# Altium PCB ESP32_Demo.PcbDoc (part 1 of 7) (continued)
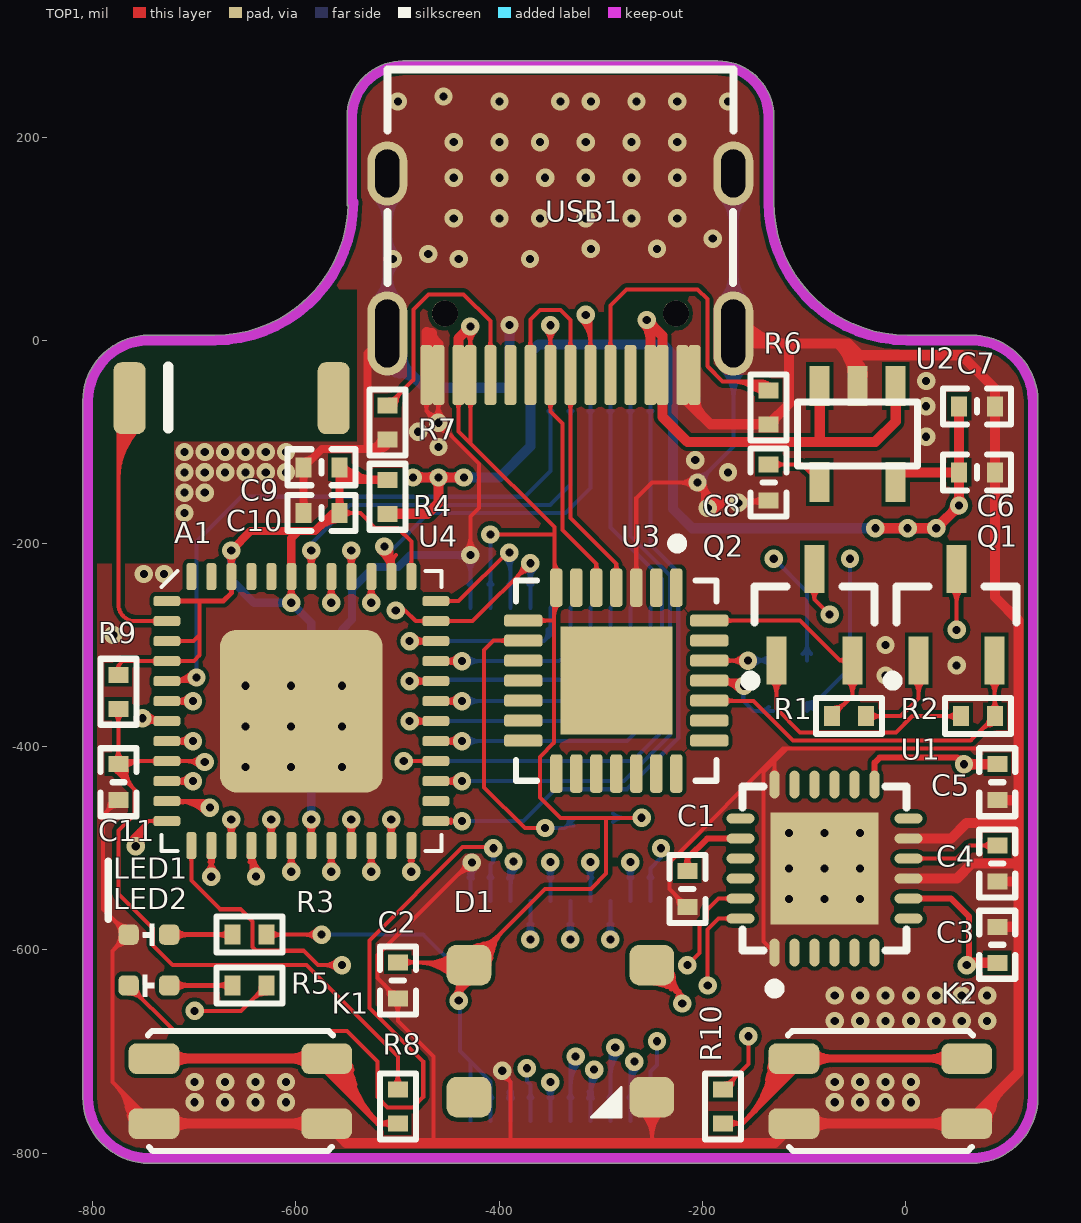
[diagram p0: TOP1 view]
## Nets (pads, with @x,y where several pads share a name; then routed paths per layer and width w, separated by ;. In a path a pad name is that pad's centre, name@x,y a point inside that pad or via, vN(x,y) a via of type N, cw(c..) or ccw(c..) an arc to the next point about the centre after c; other vN are vias at no path point) (continued)
  MidLayer3 w4: v1(-689.77,-415) -684.77,-415 -669.77,-400 ; v1@-689.71,-412 ccw(c-689.36,-393.71) -676.42,-406.64 ; v1@-689.64,-408 ccw(c-689.1,-380.67) -669.77,-400 ; v1@-682.77,-415 cw(c-677.94,-415) -681.36,-411.59 ; v1(50.23,-285) -4.77,-230 -354.77,-230 -397.77,-273 -431,-273 -473,-315 -654.77,-315 -669.77,-330 -669.77,-400
EXT_5V: C2.1 D1.1 P1.9 P2.9 P2.10 R3.2 R11.2 U2.1 U2.3 U3.7 U3.8 USB1.A4 USB1.A9 USB1.B4 USB1.B9 | length 5986.7
  TOP1 w4: R3.2@-629.02,-585 v1(-574.78,-585) ; v1@-579.73,-589.95 ccw(c-591.68,-601.9) -591.68,-585 ccw(c-591.68,-568.1) v1@-579.73,-580.05 ; C2.1@-499.77,-612.28 D1.1@-432.49,-612.28 ; v1@-444.72,-645.05 ccw(c-456.67,-633.1) -439.77,-633.1 ccw(c-422.87,-633.1) v1@-434.82,-645.05 ; D1.1@-443.51,-622.63 cw(c-459.5,-633.03) -441.08,-637.97 ; v1@-442.42,-643.52 ccw(c-445.33,-636.4) -437.9,-638.39 ccw(c-432.64,-639.8) v1@-435.76,-644.26 ; USB1.A9@-440.17,-34.21 -440.17,-89.61 -428.35,-101.42 ; D1.1@-440.1,-634.31 cw(c-427.42,-637.71) D1.1@-429.89,-624.82 ; v1@-440.02,-643 ccw(c-440.13,-639.78) -437.02,-640.62 ccw(c-433.69,-641.51) v1@-435.7,-644.31 ; v1@-439.77,-650.9 cw(c-419.99,-650.9) D1.1@-426.16,-632.1 ; v1(-439.77,-650) D1.1@-439.77,-619.57 ; v1@-439.77,-645.38 cw(c-421.8,-645.38) D1.1@-427.41,-628.3 ; -439.77,-639.86 cw(c-423.61,-639.86) D1.1@-428.65,-624.5 ; -439.77,-639.14 ccw(c-455.91,-639.14) D1.1@-444.5,-627.73 ; v1@-433.3,8.63 cw(c-445.25,-3.32) -428.35,-3.32 cw(c-411.46,-3.32) v1@-423.41,8.63 ; D1.1@-429.77,-615 -354.77,-540 -309.77,-540 -294.77,-525 -294.77,-497.5 -294.77,-470 ; v1(-428.35,13.58) USB1.B4@-428.35,-34.21 -428.35,-101.42 ; v1(-408.67,-191.1) -346.87,-191.1 -345.77,-190 ; U3.8@-376.27,-275.94 -346.84,-275.94 ; v1(-259.77,-470) -294.77,-470 ; R3.2@-624.87,-589.16 cw(c-614.84,-599.18) -614.84,-585 ; R3.2@-624.87,-589.16 cw(c-614.84,-599.18) -614.84,-585 ; R3.2@-624.87,-589.16 cw(c-614.84,-599.18) -614.84,-585 ; R3.2@-624.87,-589.16 cw(c-614.84,-599.18) -614.84,-585 ; R3.2@-624.87,-589.16 cw(c-614.84,-599.18) -614.84,-585 ; R3.2@-624.87,-589.16 cw(c-614.84,-599.18) -614.84,-585 ; R3.2@-624.87,-580.85 ccw(c-614.84,-570.82) -614.84,-585 ; R3.2@-624.87,-580.85 ccw(c-614.84,-570.82) -614.84,-585 ; R3.2@-624.87,-580.85 ccw(c-614.84,-570.82) -614.84,-585 ; R3.2@-624.87,-580.85 ccw(c-614.84,-570.82) -614.84,-585 ; R3.2@-624.87,-580.85 ccw(c-614.84,-570.82) -614.84,-585 ; R3.2@-624.87,-580.85 ccw(c-614.84,-570.82) -614.84,-585 ; C2.1@-493.65,-616.44 cw(c-483.62,-626.46) -483.62,-612.28 ; C2.1@-493.65,-616.44 cw(c-483.62,-626.46) -483.62,-612.28 ; C2.1@-493.65,-616.44 cw(c-483.62,-626.46) -483.62,-612.28 ; C2.1@-493.65,-616.44 cw(c-483.62,-626.46) -483.62,-612.28 ; C2.1@-493.65,-616.44 cw(c-483.62,-626.46) -483.62,-612.28 ; C2.1@-493.65,-616.44 cw(c-483.62,-626.46) -483.62,-612.28 ; C2.1@-493.65,-608.13 ccw(c-483.62,-598.1) -483.62,-612.28 ; C2.1@-493.65,-608.13 ccw(c-483.62,-598.1) -483.62,-612.28 ; C2.1@-493.65,-608.13 ccw(c-483.62,-598.1) -483.62,-612.28 ; C2.1@-493.65,-608.13 ccw(c-483.62,-598.1) -483.62,-612.28 ; C2.1@-493.65,-608.13 ccw(c-483.62,-598.1) -483.62,-612.28 ; C2.1@-493.65,-608.13 ccw(c-483.62,-598.1) -483.62,-612.28 ; -481.79,-612.28 cw(c-481.79,-665.01) D1.1@-444.5,-627.73 ; -481.79,-612.28 cw(c-481.79,-665.01) D1.1@-444.5,-627.73 ; -481.79,-612.28 cw(c-481.79,-665.01) D1.1@-444.5,-627.73 ; -472.13,-612.28 cw(c-472.13,-655.36) D1.1@-441.67,-624.9 ; -472.13,-612.28 cw(c-472.13,-655.36) D1.1@-441.67,-624.9 ; -472.13,-612.28 cw(c-472.13,-655.36) D1.1@-441.67,-624.9 ; -468.67,-612.28 ccw(c-468.67,-578.1) D1.1@-444.5,-602.27 ; -468.67,-612.28 ccw(c-468.67,-578.1) D1.1@-444.5,-602.27 ; -468.67,-612.28 ccw(c-468.67,-578.1) D1.1@-444.5,-602.27 ; -462.47,-612.28 cw(c-462.47,-645.7) D1.1@-438.84,-622.07 ; -462.47,-612.28 cw(c-462.47,-645.7) D1.1@-438.84,-622.07 ; -462.47,-612.28 cw(c-462.47,-645.7) D1.1@-438.84,-622.07 ; -459.01,-612.28 ccw(c-459.01,-587.76) D1.1@-441.67,-605.1 ; -459.01,-612.28 ccw(c-459.01,-587.76) D1.1@-441.67,-605.1 ; -459.01,-612.28 ccw(c-459.01,-587.76) D1.1@-441.67,-605.1 ; -452.82,-612.28 cw(c-452.82,-636.04) D1.1@-436.01,-619.24 ; -452.82,-612.28 cw(c-452.82,-636.04) D1.1@-436.01,-619.24 ; -452.82,-612.28 cw(c-452.82,-636.04) D1.1@-436.01,-619.24 ; D1.1@-443.39,-622.81 cw(c-459.05,-633.34) -440.82,-638.23 ; D1.1@-443.39,-622.81 cw(c-459.05,-633.34) -440.82,-638.23 ; D1.1@-443.39,-622.81 cw(c-459.05,-633.34) -440.82,-638.23 ; D1.1@-443.39,-622.81 cw(c-459.05,-633.34) -440.82,-638.23 ; D1.1@-443.39,-622.81 cw(c-459.05,-633.34) -440.82,-638.23 ; D1.1@-443.39,-622.81 cw(c-459.05,-633.34) -440.82,-638.23 ; D1.1@-443.39,-622.81 cw(c-459.05,-633.34) -440.82,-638.23 ; D1.1@-443.39,-622.81 cw(c-459.05,-633.34) -440.82,-638.23 ; D1.1@-443.39,-622.81 cw(c-459.05,-633.34) -440.82,-638.23 ; USB1.A9@-442.93,-60.6 cw(c-449.59,-67.26) -440.17,-67.26 ; USB1.A9@-442.93,-60.6 cw(c-449.59,-67.26) -440.17,-67.26 ; USB1.A9@-442.93,-60.6 cw(c-449.59,-67.26) -440.17,-67.26 ; USB1.A9@-442.93,-60.6 cw(c-449.59,-67.26) -440.17,-67.26 ; USB1.A9@-442.93,-60.6 cw(c-449.59,-67.26) -440.17,-67.26 ; USB1.A9@-442.93,-60.6 cw(c-449.59,-67.26) -440.17,-67.26 ; -440.17,-67.26 cw(c-430.74,-67.26) USB1.A9@-437.4,-60.6 ; -440.17,-67.26 cw(c-430.74,-67.26) USB1.A9@-437.4,-60.6 ; -440.17,-67.26 cw(c-430.74,-67.26) USB1.A9@-437.4,-60.6 ; -440.17,-67.26 cw(c-430.74,-67.26) USB1.A9@-437.4,-60.6 ; -440.17,-67.26 cw(c-430.74,-67.26) USB1.A9@-437.4,-60.6 ; -440.17,-67.26 cw(c-430.74,-67.26) USB1.A9@-437.4,-60.6 ; D1.1@-439.77,-634.33 cw(c-425.43,-634.33) D1.1@-429.9,-620.7 ; D1.1@-439.77,-634.33 cw(c-425.43,-634.33) D1.1@-429.9,-620.7 ; D1.1@-439.77,-634.33 cw(c-425.43,-634.33) D1.1@-429.9,-620.7 ; D1.1@-439.77,-634.33 cw(c-425.43,-634.33) D1.1@-429.9,-620.7 ; D1.1@-439.77,-634.33 cw(c-425.43,-634.33) D1.1@-429.9,-620.7 ; D1.1@-439.77,-634.33 cw(c-425.43,-634.33) D1.1@-429.9,-620.7 ; D1.1@-439.75,-634.21 cw(c-427.13,-637.59) D1.1@-429.76,-624.8 ; D1.1@-439.75,-634.21 cw(c-427.13,-637.59) D1.1@-429.76,-624.8 ; D1.1@-439.75,-634.21 cw(c-427.13,-637.59) D1.1@-429.76,-624.8 ; D1.1@-439.75,-634.21 cw(c-427.13,-637.59) D1.1@-429.76,-624.8 ; D1.1@-439.75,-634.21 cw(c-427.13,-637.59) D1.1@-429.76,-624.8 ; D1.1@-439.75,-634.21 cw(c-427.13,-637.59) D1.1@-429.76,-624.8 ; D1.1@-439.75,-634.21 cw(c-427.13,-637.59) D1.1@-429.76,-624.8 ; D1.1@-439.75,-634.21 cw(c-427.13,-637.59) D1.1@-429.76,-624.8 ; D1.1@-439.75,-634.21 cw(c-427.13,-637.59) D1.1@-429.76,-624.8 ; D1.1@-437.64,-613.39 cw(c-415.4,-617.02) D1.1@-421.23,-595.25 ; D1.1@-437.64,-613.39 cw(c-415.4,-617.02) D1.1@-421.23,-595.25 ; D1.1@-437.64,-613.39 cw(c-415.4,-617.02) D1.1@-421.23,-595.25 ; D1.1@-433.69,-614.03 cw(c-408.69,-618.11) -415.25,-593.64 ; D1.1@-433.69,-614.03 cw(c-408.69,-618.11) -415.25,-593.64 ; D1.1@-433.69,-614.03 cw(c-408.69,-618.11) -415.25,-593.64 ; USB1.B4@-431.12,-60.6 cw(c-437.78,-67.26) -428.35,-67.26 ; USB1.B4@-431.12,-60.6 cw(c-437.78,-67.26) -428.35,-67.26 ; USB1.B4@-431.12,-60.6 cw(c-437.78,-67.26) -428.35,-67.26 ; USB1.B4@-431.12,-60.6 cw(c-437.78,-67.26) -428.35,-67.26 ; USB1.B4@-431.12,-60.6 cw(c-437.78,-67.26) -428.35,-67.26 ; USB1.B4@-431.12,-60.6 cw(c-437.78,-67.26) -428.35,-67.26 ; USB1.B4@-431.12,-7.83 ccw(c-437.78,-1.16) -428.35,-1.16 ; USB1.B4@-431.12,-7.83 ccw(c-437.78,-1.16) -428.35,-1.16 ; USB1.B4@-431.12,-7.83 ccw(c-437.78,-1.16) -428.35,-1.16 ; USB1.B4@-431.12,-7.83 ccw(c-437.78,-1.16) -428.35,-1.16 ; USB1.B4@-431.12,-7.83 ccw(c-437.78,-1.16) -428.35,-1.16 ; USB1.B4@-431.12,-7.83 ccw(c-437.78,-1.16) -428.35,-1.16 ; D1.1@-429.75,-614.68 cw(c-401.99,-619.2) -409.27,-592.04 ; D1.1@-429.75,-614.68 cw(c-401.99,-619.2) -409.27,-592.04 ; D1.1@-429.75,-614.68 cw(c-401.99,-619.2) -409.27,-592.04 ; -428.35,-101.42 -345.77,-184 -345.77,-190 ; -428.35,-67.26 cw(c-418.93,-67.26) USB1.B4@-425.59,-60.6 ; -428.35,-67.26 cw(c-418.93,-67.26) USB1.B4@-425.59,-60.6 ; -428.35,-67.26 cw(c-418.93,-67.26) USB1.B4@-425.59,-60.6 ; -428.35,-67.26 cw(c-418.93,-67.26) USB1.B4@-425.59,-60.6 ; -428.35,-67.26 cw(c-418.93,-67.26) USB1.B4@-425.59,-60.6 ; -428.35,-67.26 cw(c-418.93,-67.26) USB1.B4@-425.59,-60.6 ; -428.35,-1.16 ccw(c-418.93,-1.16) USB1.B4@-425.59,-7.83 ; -428.35,-1.16 ccw(c-418.93,-1.16) USB1.B4@-425.59,-7.83 ; -428.35,-1.16 ccw(c-418.93,-1.16) USB1.B4@-425.59,-7.83 ; -428.35,-1.16 ccw(c-418.93,-1.16) USB1.B4@-425.59,-7.83 ; -428.35,-1.16 ccw(c-418.93,-1.16) USB1.B4@-425.59,-7.83 ; -428.35,-1.16 ccw(c-418.93,-1.16) USB1.B4@-425.59,-7.83 ; D1.1@-428.03,-613.02 ccw(c-430.97,-590.16) -408.71,-596.13 ; D1.1@-428.03,-613.02 ccw(c-430.97,-590.16) -408.71,-596.13 ; D1.1@-428.03,-613.02 ccw(c-430.97,-590.16) -408.71,-596.13 ; D1.1@-427.77,-605 ccw(c-427.77,-585.69) D1.1@-414.12,-599.34 ; D1.1@-427.77,-605 ccw(c-427.77,-585.69) D1.1@-414.12,-599.34 ; D1.1@-427.77,-605 ccw(c-427.77,-585.69) D1.1@-414.12,-599.34 ; D1.1@-427.77,-601 ccw(c-427.77,-572.03) -407.29,-592.51 ; D1.1@-427.77,-601 ccw(c-427.77,-572.03) -407.29,-592.51 ; D1.1@-427.77,-601 ccw(c-427.77,-572.03) -407.29,-592.51 ; D1.1@-427.77,-597 ccw(c-427.77,-558.37) -400.46,-585.69 ; D1.1@-427.77,-597 ccw(c-427.77,-558.37) -400.46,-585.69 ; D1.1@-427.77,-597 ccw(c-427.77,-558.37) -400.46,-585.69 ; D1.1@-427.52,-616.98 ccw(c-430.15,-596.56) D1.1@-410.26,-601.89 ; D1.1@-427.52,-616.98 ccw(c-430.15,-596.56) D1.1@-410.26,-601.89 ; D1.1@-427.52,-616.98 ccw(c-430.15,-596.56) D1.1@-410.26,-601.89 ; D1.1@-427.3,-616.94 ccw(c-434.81,-586.21) -404.25,-594.4 ; D1.1@-427.3,-616.94 ccw(c-434.81,-586.21) -404.25,-594.4 ; D1.1@-427.3,-616.94 ccw(c-434.81,-586.21) -404.25,-594.4 ; D1.1@-426.35,-620.83 ccw(c-432.98,-593.69) -406,-600.92 ; D1.1@-426.35,-620.83 ccw(c-432.98,-593.69) -406,-600.92 ; D1.1@-426.35,-620.83 ccw(c-432.98,-593.69) -406,-600.92 ; D1.1@-425.4,-624.71 ccw(c-431.15,-601.18) -407.75,-607.45 ; D1.1@-425.4,-624.71 ccw(c-431.15,-601.18) -407.75,-607.45 ; D1.1@-425.4,-624.71 ccw(c-431.15,-601.18) -407.75,-607.45 ; D1.1@-417.77,-615 cw(c-388.8,-615) -409.29,-594.51 ; D1.1@-417.77,-615 cw(c-388.8,-615) -409.29,-594.51 ; D1.1@-417.77,-615 cw(c-388.8,-615) -409.29,-594.51 ; D1.1@-413.77,-615 cw(c-375.14,-615) -402.46,-587.69 ; D1.1@-413.77,-615 cw(c-375.14,-615) -402.46,-587.69 ; D1.1@-413.77,-615 cw(c-375.14,-615) -402.46,-587.69 ; D1.1@-409.77,-615 cw(c-361.49,-615) -395.63,-580.86 ; D1.1@-409.77,-615 cw(c-361.49,-615) -395.63,-580.86 ; D1.1@-409.77,-615 cw(c-361.49,-615) -395.63,-580.86 ; U3.8@-360.44,-278.77 cw(c-353.62,-285.6) -353.62,-275.94 ; U3.8@-360.44,-278.77 cw(c-353.62,-285.6) -353.62,-275.94 ; U3.8@-360.44,-278.77 cw(c-353.62,-285.6) -353.62,-275.94 ; U3.8@-360.44,-278.77 cw(c-353.62,-285.6) -353.62,-275.94 ; U3.8@-360.44,-278.77 cw(c-353.62,-285.6) -353.62,-275.94 ; U3.8@-360.44,-278.77 cw(c-353.62,-285.6) -353.62,-275.94 ; U3.8@-360.44,-273.12 ccw(c-353.62,-266.29) -353.62,-275.94 ; U3.8@-360.44,-273.12 ccw(c-353.62,-266.29) -353.62,-275.94 ; U3.8@-360.44,-273.12 ccw(c-353.62,-266.29) -353.62,-275.94 ; U3.8@-360.44,-273.12 ccw(c-353.62,-266.29) -353.62,-275.94 ; U3.8@-360.44,-273.12 ccw(c-353.62,-266.29) -353.62,-275.94 ; U3.8@-360.44,-273.12 ccw(c-353.62,-266.29) -353.62,-275.94 ; -345.89,-271.14 cw(c-329.19,-271.14) U3.7@-341,-259.33 ; -345.89,-271.14 cw(c-329.19,-271.14) U3.7@-341,-259.33 ; -345.89,-271.14 cw(c-329.19,-271.14) U3.7@-341,-259.33 ; -345.77,-216.15 ccw(c-329.48,-216.15) U3.7@-341,-227.67 ; -345.77,-216.15 ccw(c-329.48,-216.15) U3.7@-341,-227.67 ; -345.77,-216.15 ccw(c-329.48,-216.15) U3.7@-341,-227.67 ; -345.77,-216.15 ccw(c-329.48,-216.15) U3.7@-341,-227.67 ; -345.77,-216.15 ccw(c-329.48,-216.15) U3.7@-341,-227.67 ; -345.77,-216.15 ccw(c-329.48,-216.15) U3.7@-341,-227.67 ; -345.77,-190 -345.77,-241.56 U3.7@-343.83,-243.5 -345.89,-245.56 -345.89,-396.12 -359.77,-410 -359.77,-450 -339.77,-470 -294.77,-470
  TOP1 w10: USB1.A9@-440.17,-34.21 -440.17,1.77 v1(-428.35,13.58) ; v1@-432.35,13.58 cw(c-442.01,13.58) -435.18,6.75 cw(c-428.35,-0.07) v1@-428.35,9.58 ; v1@-257.6,17.17 cw(c-273.08,1.69) -251.19,1.69 ; v1@-254.77,16 cw(c-254.77,6.34) -247.94,13.17 cw(c-241.12,20) v1@-250.77,20 ; v1(-254.77,20) v1@-251.19,16.42 ; USB1.B9@-251.19,-34.21 v1@-251.19,16.42 ; -84.58,-99.8 U2.3@-84.58,-45 ; U2.1@-9.77,-45 -9.77,-80 -29.77,-100 -214.77,-100 -239.38,-75.39 USB1.A4@-239.38,-34.21 -239.38,4.61 v1@-251.19,16.42 ; U2.3@-88,-58.27 cw(c-96.27,-66.53) -84.58,-66.53 ; U2.3@-88,-58.27 cw(c-96.27,-66.53) -84.58,-66.53 ; U2.3@-88,-58.27 cw(c-96.27,-66.53) -84.58,-66.53 ; U2.3@-88,-58.27 cw(c-96.27,-66.53) -84.58,-66.53 ; U2.3@-88,-58.27 cw(c-96.27,-66.53) -84.58,-66.53 ; U2.3@-88,-58.27 cw(c-96.27,-66.53) -84.58,-66.53 ; -84.58,-66.53 cw(c-72.88,-66.53) U2.3@-81.15,-58.27 ; -84.58,-66.53 cw(c-72.88,-66.53) U2.3@-81.15,-58.27 ; -84.58,-66.53 cw(c-72.88,-66.53) U2.3@-81.15,-58.27 ; -84.58,-66.53 cw(c-72.88,-66.53) U2.3@-81.15,-58.27 ; -84.58,-66.53 cw(c-72.88,-66.53) U2.3@-81.15,-58.27 ; -84.58,-66.53 cw(c-72.88,-66.53) U2.3@-81.15,-58.27 ; U2.1@-13.2,-58.27 cw(c-21.46,-66.53) -9.77,-66.53 ; U2.1@-13.2,-58.27 cw(c-21.46,-66.53) -9.77,-66.53 ; U2.1@-13.2,-58.27 cw(c-21.46,-66.53) -9.77,-66.53 ; U2.1@-13.2,-58.27 cw(c-21.46,-66.53) -9.77,-66.53 ; U2.1@-13.2,-58.27 cw(c-21.46,-66.53) -9.77,-66.53 ; U2.1@-13.2,-58.27 cw(c-21.46,-66.53) -9.77,-66.53 ; -9.77,-66.53 cw(c1.92,-66.53) U2.1@-6.35,-58.27 ; -9.77,-66.53 cw(c1.92,-66.53) U2.1@-6.35,-58.27 ; -9.77,-66.53 cw(c1.92,-66.53) U2.1@-6.35,-58.27 ; -9.77,-66.53 cw(c1.92,-66.53) U2.1@-6.35,-58.27 ; -9.77,-66.53 cw(c1.92,-66.53) U2.1@-6.35,-58.27 ; -9.77,-66.53 cw(c1.92,-66.53) U2.1@-6.35,-58.27
  MidLayer3 w10: v1(-428.35,13.58) -428.35,16.42 -399.77,45 -279.77,45 v1(-254.77,20) ; v1@-258.77,20 ccw(c-268.43,20) -261.6,26.83 ccw(c-254.77,33.66) v1@-254.77,24
  BOTTOM4 w4: v1(-574.78,-585) -474.77,-585 -439.77,-620 v1(-439.77,-650) -438.77,-651 -438.77,-699.46 -408.67,-729.57 P2.9@-408.67,-768.27 ; P2.10@-428.35,-768.27 -428.35,-710.12 ; P1.9@-408.67,-263.27 v1(-408.67,-191.1) ; R11.2@-292.06,-470 v1(-259.77,-470) ; P2.10@-430.42,-745.53 ccw(c-435.41,-740.55) -428.35,-740.55 ; P2.10@-430.42,-745.53 ccw(c-435.41,-740.55) -428.35,-740.55 ; P2.10@-430.42,-745.53 ccw(c-435.41,-740.55) -428.35,-740.55 ; P2.10@-430.42,-745.53 ccw(c-435.41,-740.55) -428.35,-740.55 ; P2.10@-430.42,-745.53 ccw(c-435.41,-740.55) -428.35,-740.55 ; P2.10@-430.42,-745.53 ccw(c-435.41,-740.55) -428.35,-740.55 ; -428.35,-740.55 ccw(c-421.3,-740.55) P2.10@-426.29,-745.53 ; -428.35,-740.55 ccw(c-421.3,-740.55) P2.10@-426.29,-745.53 ; -428.35,-740.55 ccw(c-421.3,-740.55) P2.10@-426.29,-745.53 ; -428.35,-740.55 ccw(c-421.3,-740.55) P2.10@-426.29,-745.53 ; -428.35,-740.55 ccw(c-421.3,-740.55) P2.10@-426.29,-745.53 ; -428.35,-740.55 ccw(c-421.3,-740.55) P2.10@-426.29,-745.53 ; P2.9@-410.74,-745.53 ccw(c-415.72,-740.55) -408.67,-740.55 ; P2.9@-410.74,-745.53 ccw(c-415.72,-740.55) -408.67,-740.55 ; P2.9@-410.74,-745.53 ccw(c-415.72,-740.55) -408.67,-740.55 ; P2.9@-410.74,-745.53 ccw(c-415.72,-740.55) -408.67,-740.55 ; P2.9@-410.74,-745.53 ccw(c-415.72,-740.55) -408.67,-740.55 ; P2.9@-410.74,-745.53 ccw(c-415.72,-740.55) -408.67,-740.55 ; P1.9@-410.74,-240.53 ccw(c-415.72,-235.55) -408.67,-235.55 ; P1.9@-410.74,-240.53 ccw(c-415.72,-235.55) -408.67,-235.55 ; P1.9@-410.74,-240.53 ccw(c-415.72,-235.55) -408.67,-235.55 ; P1.9@-410.74,-240.53 ccw(c-415.72,-235.55) -408.67,-235.55 ; P1.9@-410.74,-240.53 ccw(c-415.72,-235.55) -408.67,-235.55 ; P1.9@-410.74,-240.53 ccw(c-415.72,-235.55) -408.67,-235.55 ; -408.67,-740.55 ccw(c-401.62,-740.55) P2.9@-406.6,-745.53 ; -408.67,-740.55 ccw(c-401.62,-740.55) P2.9@-406.6,-745.53 ; -408.67,-740.55 ccw(c-401.62,-740.55) P2.9@-406.6,-745.53 ; -408.67,-740.55 ccw(c-401.62,-740.55) P2.9@-406.6,-745.53 ; -408.67,-740.55 ccw(c-401.62,-740.55) P2.9@-406.6,-745.53 ; -408.67,-740.55 ccw(c-401.62,-740.55) P2.9@-406.6,-745.53 ; -408.67,-235.55 ccw(c-401.62,-235.55) P1.9@-406.6,-240.53 ; -408.67,-235.55 ccw(c-401.62,-235.55) P1.9@-406.6,-240.53 ; -408.67,-235.55 ccw(c-401.62,-235.55) P1.9@-406.6,-240.53 ; -408.67,-235.55 ccw(c-401.62,-235.55) P1.9@-406.6,-240.53 ; -408.67,-235.55 ccw(c-401.62,-235.55) P1.9@-406.6,-240.53 ; -408.67,-235.55 ccw(c-401.62,-235.55) P1.9@-406.6,-240.53 ; R11.2@-287.91,-474.15 cw(c-277.89,-484.17) -277.89,-470 ; R11.2@-287.91,-474.15 cw(c-277.89,-484.17) -277.89,-470 ; R11.2@-287.91,-474.15 cw(c-277.89,-484.17) -277.89,-470 ; R11.2@-287.91,-474.15 cw(c-277.89,-484.17) -277.89,-470 ; R11.2@-287.91,-474.15 cw(c-277.89,-484.17) -277.89,-470 ; R11.2@-287.91,-474.15 cw(c-277.89,-484.17) -277.89,-470 ; R11.2@-287.91,-465.84 ccw(c-277.87,-455.81) -277.87,-470 ; R11.2@-287.91,-465.84 ccw(c-277.87,-455.81) -277.87,-470 ; R11.2@-287.91,-465.84 ccw(c-277.87,-455.81) -277.87,-470 ; R11.2@-287.91,-465.84 ccw(c-277.87,-455.81) -277.87,-470 ; R11.2@-287.91,-465.84 ccw(c-277.87,-455.81) -277.87,-470 ; R11.2@-287.91,-465.84 ccw(c-277.87,-455.81) -277.87,-470
FLASH_CLK: P1.3 U4.31 | length 471.5
  TOP1 w4: U4.31@-462.39,-355.16 v1(-436.6,-355.16) ; U4.31@-451.96,-357.22 cw(c-446.97,-362.21) -446.97,-355.16 cw(c-446.97,-348.11) U4.31@-451.96,-353.09 ; -447.49,-356.77 cw(c-445.79,-350.4) U4.31@-451.49,-353.7 ; -447.49,-353.55 ccw(c-445.79,-359.91) U4.31@-451.49,-356.62 ; v1@-441.55,-360.11 ccw(c-453.5,-372.06) -453.5,-355.16 ccw(c-453.5,-338.26) v1@-441.55,-350.21 ; U4.31@-451.49,-356.62 cw(c-446.71,-359.38) -448.14,-354.04 ; U4.31@-451.49,-356.62 cw(c-446.71,-359.38) -448.14,-354.04 ; U4.31@-451.49,-356.62 cw(c-446.71,-359.38) -448.14,-354.04 ; U4.31@-451.49,-356.62 cw(c-446.71,-359.38) -448.14,-354.04 ; U4.31@-451.49,-356.62 cw(c-446.71,-359.38) -448.14,-354.04 ; U4.31@-451.49,-356.62 cw(c-446.71,-359.38) -448.14,-354.04 ; U4.31@-451.49,-356.62 cw(c-446.71,-359.38) -448.14,-354.04 ; U4.31@-451.49,-356.62 cw(c-446.71,-359.38) -448.14,-354.04 ; U4.31@-451.49,-356.62 cw(c-446.71,-359.38) -448.14,-354.04 ; U4.31@-451.49,-353.7 ccw(c-446.71,-350.93) -448.14,-356.27 ; U4.31@-451.49,-353.7 ccw(c-446.71,-350.93) -448.14,-356.27 ; U4.31@-451.49,-353.7 ccw(c-446.71,-350.93) -448.14,-356.27 ; U4.31@-451.49,-353.7 ccw(c-446.71,-350.93) -448.14,-356.27 ; U4.31@-451.49,-353.7 ccw(c-446.71,-350.93) -448.14,-356.27 ; U4.31@-451.49,-353.7 ccw(c-446.71,-350.93) -448.14,-356.27 ; U4.31@-451.49,-353.7 ccw(c-446.71,-350.93) -448.14,-356.27 ; U4.31@-451.49,-353.7 ccw(c-446.71,-350.93) -448.14,-356.27 ; U4.31@-451.49,-353.7 ccw(c-446.71,-350.93) -448.14,-356.27
  BOTTOM4 w4: v1(-436.6,-355.16) -309.93,-355.16 -290.56,-335.79 P1.3@-290.56,-263.27 ; v1@-431.65,-360.11 cw(c-419.7,-372.06) -419.7,-355.16 cw(c-419.7,-338.26) v1@-431.65,-350.21 ; P1.3@-292.63,-286 cw(c-297.61,-290.99) -290.56,-290.99 ; P1.3@-292.63,-286 cw(c-297.61,-290.99) -290.56,-290.99 ; P1.3@-292.63,-286 cw(c-297.61,-290.99) -290.56,-290.99 ; P1.3@-292.63,-286 cw(c-297.61,-290.99) -290.56,-290.99 ; P1.3@-292.63,-286 cw(c-297.61,-290.99) -290.56,-290.99 ; P1.3@-292.63,-286 cw(c-297.61,-290.99) -290.56,-290.99 ; -290.56,-290.99 cw(c-283.51,-290.99) P1.3@-288.49,-286 ; -290.56,-290.99 cw(c-283.51,-290.99) P1.3@-288.49,-286 ; -290.56,-290.99 cw(c-283.51,-290.99) P1.3@-288.49,-286 ; -290.56,-290.99 cw(c-283.51,-290.99) P1.3@-288.49,-286 ; -290.56,-290.99 cw(c-283.51,-290.99) P1.3@-288.49,-286 ; -290.56,-290.99 cw(c-283.51,-290.99) P1.3@-288.49,-286
FLASH_CS: P1.20 U4.25 | length 794.7
  TOP1 w4: U4.25@-462.39,-473.27 v1(-436.6,-473.27) ; U4.25@-451.96,-475.33 cw(c-446.97,-480.32) -446.97,-473.27 cw(c-446.97,-466.22) U4.25@-451.96,-471.2 ; -447.49,-474.88 cw(c-445.79,-468.51) U4.25@-451.49,-471.81 ; -447.49,-471.66 ccw(c-445.79,-478.02) U4.25@-451.49,-474.73 ; U4.25@-451.49,-474.73 cw(c-446.71,-477.49) -448.14,-472.15 ; U4.25@-451.49,-474.73 cw(c-446.71,-477.49) -448.14,-472.15 ; U4.25@-451.49,-474.73 cw(c-446.71,-477.49) -448.14,-472.15 ; U4.25@-451.49,-474.73 cw(c-446.71,-477.49) -448.14,-472.15 ; U4.25@-451.49,-474.73 cw(c-446.71,-477.49) -448.14,-472.15 ; U4.25@-451.49,-474.73 cw(c-446.71,-477.49) -448.14,-472.15 ; U4.25@-451.49,-474.73 cw(c-446.71,-477.49) -448.14,-472.15 ; U4.25@-451.49,-474.73 cw(c-446.71,-477.49) -448.14,-472.15 ; U4.25@-451.49,-474.73 cw(c-446.71,-477.49) -448.14,-472.15 ; U4.25@-451.49,-471.81 ccw(c-446.71,-469.04) -448.14,-474.38 ; U4.25@-451.49,-471.81 ccw(c-446.71,-469.04) -448.14,-474.38 ; U4.25@-451.49,-471.81 ccw(c-446.71,-469.04) -448.14,-474.38 ; U4.25@-451.49,-471.81 ccw(c-446.71,-469.04) -448.14,-474.38 ; U4.25@-451.49,-471.81 ccw(c-446.71,-469.04) -448.14,-474.38 ; U4.25@-451.49,-471.81 ccw(c-446.71,-469.04) -448.14,-474.38 ; U4.25@-451.49,-471.81 ccw(c-446.71,-469.04) -448.14,-474.38 ; U4.25@-451.49,-471.81 ccw(c-446.71,-469.04) -448.14,-474.38 ; U4.25@-451.49,-471.81 ccw(c-446.71,-469.04) -448.14,-474.38
  BOTTOM4 w4: v1(-436.6,-473.27) -376.14,-473.27 -344.77,-441.9 -274.04,-441.9 -223.77,-391.63 -223.77,-228.37 -251.19,-200.96 P1.20@-251.19,-46.73 ; P1.20@-253.26,-69.47 cw(c-258.24,-74.45) -251.19,-74.45 ; P1.20@-253.26,-69.47 cw(c-258.24,-74.45) -251.19,-74.45 ; P1.20@-253.26,-69.47 cw(c-258.24,-74.45) -251.19,-74.45 ; P1.20@-253.26,-69.47 cw(c-258.24,-74.45) -251.19,-74.45 ; P1.20@-253.26,-69.47 cw(c-258.24,-74.45) -251.19,-74.45 ; P1.20@-253.26,-69.47 cw(c-258.24,-74.45) -251.19,-74.45 ; -251.19,-74.45 cw(c-244.14,-74.45) P1.20@-249.12,-69.47 ; -251.19,-74.45 cw(c-244.14,-74.45) P1.20@-249.12,-69.47 ; -251.19,-74.45 cw(c-244.14,-74.45) P1.20@-249.12,-69.47 ; -251.19,-74.45 cw(c-244.14,-74.45) P1.20@-249.12,-69.47 ; -251.19,-74.45 cw(c-244.14,-74.45) P1.20@-249.12,-69.47 ; -251.19,-74.45 cw(c-244.14,-74.45) P1.20@-249.12,-69.47
FLASH_SD0: P1.19 U4.27 | length 799.8
  TOP1 w4: U4.27@-462.39,-433.9 v1(-436.6,-433.9) ; U4.27@-451.96,-435.96 cw(c-446.97,-440.95) -446.97,-433.9 cw(c-446.97,-426.85) U4.27@-451.96,-431.83 ; -447.49,-435.51 cw(c-445.79,-429.14) U4.27@-451.49,-432.44 ; -447.49,-432.29 ccw(c-445.79,-438.65) U4.27@-451.49,-435.36 ; v1@-441.55,-438.85 ccw(c-453.5,-450.8) -453.5,-433.9 ccw(c-453.5,-417) v1@-441.55,-428.95 ; U4.27@-451.49,-435.36 cw(c-446.71,-438.12) -448.14,-432.78 ; U4.27@-451.49,-435.36 cw(c-446.71,-438.12) -448.14,-432.78 ; U4.27@-451.49,-435.36 cw(c-446.71,-438.12) -448.14,-432.78 ; U4.27@-451.49,-435.36 cw(c-446.71,-438.12) -448.14,-432.78 ; U4.27@-451.49,-435.36 cw(c-446.71,-438.12) -448.14,-432.78 ; U4.27@-451.49,-435.36 cw(c-446.71,-438.12) -448.14,-432.78 ; U4.27@-451.49,-435.36 cw(c-446.71,-438.12) -448.14,-432.78 ; U4.27@-451.49,-435.36 cw(c-446.71,-438.12) -448.14,-432.78 ; U4.27@-451.49,-435.36 cw(c-446.71,-438.12) -448.14,-432.78 ; U4.27@-451.49,-432.44 ccw(c-446.71,-429.67) -448.14,-435.01 ; U4.27@-451.49,-432.44 ccw(c-446.71,-429.67) -448.14,-435.01 ; U4.27@-451.49,-432.44 ccw(c-446.71,-429.67) -448.14,-435.01 ; U4.27@-451.49,-432.44 ccw(c-446.71,-429.67) -448.14,-435.01 ; U4.27@-451.49,-432.44 ccw(c-446.71,-429.67) -448.14,-435.01 ; U4.27@-451.49,-432.44 ccw(c-446.71,-429.67) -448.14,-435.01 ; U4.27@-451.49,-432.44 ccw(c-446.71,-429.67) -448.14,-435.01 ; U4.27@-451.49,-432.44 ccw(c-446.71,-429.67) -448.14,-435.01 ; U4.27@-451.49,-432.44 ccw(c-446.71,-429.67) -448.14,-435.01
  BOTTOM4 w4: v1(-436.6,-433.9) -277.36,-433.9 -231.77,-388.31 -231.77,-231.69 -270.87,-192.58 P1.19@-270.87,-46.73 ; P1.19@-272.94,-69.47 cw(c-277.93,-74.45) -270.87,-74.45 ; P1.19@-272.94,-69.47 cw(c-277.93,-74.45) -270.87,-74.45 ; P1.19@-272.94,-69.47 cw(c-277.93,-74.45) -270.87,-74.45 ; P1.19@-272.94,-69.47 cw(c-277.93,-74.45) -270.87,-74.45 ; P1.19@-272.94,-69.47 cw(c-277.93,-74.45) -270.87,-74.45 ; P1.19@-272.94,-69.47 cw(c-277.93,-74.45) -270.87,-74.45 ; -270.87,-74.45 cw(c-263.82,-74.45) P1.19@-268.81,-69.47 ; -270.87,-74.45 cw(c-263.82,-74.45) P1.19@-268.81,-69.47 ; -270.87,-74.45 cw(c-263.82,-74.45) P1.19@-268.81,-69.47 ; -270.87,-74.45 cw(c-263.82,-74.45) P1.19@-268.81,-69.47 ; -270.87,-74.45 cw(c-263.82,-74.45) P1.19@-268.81,-69.47 ; -270.87,-74.45 cw(c-263.82,-74.45) P1.19@-268.81,-69.47
FLASH_SD1: P1.5 U4.33 | length 397.8
  TOP1 w4: U4.33@-462.39,-315.79 v1(-436.6,-315.79) ; U4.33@-451.96,-317.85 cw(c-446.97,-322.84) -446.97,-315.79 cw(c-446.97,-308.74) U4.33@-451.96,-313.72 ; -447.49,-317.4 cw(c-445.79,-311.03) U4.33@-451.49,-314.33 ; -447.49,-314.18 ccw(c-445.79,-320.54) U4.33@-451.49,-317.25 ; v1@-441.55,-320.74 ccw(c-453.5,-332.69) -453.5,-315.79 ccw(c-453.5,-298.89) v1@-441.55,-310.84 ; U4.33@-451.49,-317.25 cw(c-446.71,-320.01) -448.14,-314.67 ; U4.33@-451.49,-317.25 cw(c-446.71,-320.01) -448.14,-314.67 ; U4.33@-451.49,-317.25 cw(c-446.71,-320.01) -448.14,-314.67 ; U4.33@-451.49,-317.25 cw(c-446.71,-320.01) -448.14,-314.67 ; U4.33@-451.49,-317.25 cw(c-446.71,-320.01) -448.14,-314.67 ; U4.33@-451.49,-317.25 cw(c-446.71,-320.01) -448.14,-314.67 ; U4.33@-451.49,-317.25 cw(c-446.71,-320.01) -448.14,-314.67 ; U4.33@-451.49,-317.25 cw(c-446.71,-320.01) -448.14,-314.67 ; U4.33@-451.49,-317.25 cw(c-446.71,-320.01) -448.14,-314.67 ; U4.33@-451.49,-314.33 ccw(c-446.71,-311.56) -448.14,-316.9 ; U4.33@-451.49,-314.33 ccw(c-446.71,-311.56) -448.14,-316.9 ; U4.33@-451.49,-314.33 ccw(c-446.71,-311.56) -448.14,-316.9 ; U4.33@-451.49,-314.33 ccw(c-446.71,-311.56) -448.14,-316.9 ; U4.33@-451.49,-314.33 ccw(c-446.71,-311.56) -448.14,-316.9 ; U4.33@-451.49,-314.33 ccw(c-446.71,-311.56) -448.14,-316.9 ; U4.33@-451.49,-314.33 ccw(c-446.71,-311.56) -448.14,-316.9 ; U4.33@-451.49,-314.33 ccw(c-446.71,-311.56) -448.14,-316.9 ; U4.33@-451.49,-314.33 ccw(c-446.71,-311.56) -448.14,-316.9
  BOTTOM4 w4: v1(-436.6,-315.79) -340.56,-315.79 -329.93,-305.16 P1.5@-329.93,-263.27 ; v1@-431.65,-320.74 cw(c-419.7,-332.69) -419.7,-315.79 cw(c-419.7,-298.89) v1@-431.65,-310.84 ; P1.5@-332,-286 cw(c-336.98,-290.99) -329.93,-290.99 ; P1.5@-332,-286 cw(c-336.98,-290.99) -329.93,-290.99 ; P1.5@-332,-286 cw(c-336.98,-290.99) -329.93,-290.99 ; P1.5@-332,-286 cw(c-336.98,-290.99) -329.93,-290.99 ; P1.5@-332,-286 cw(c-336.98,-290.99) -329.93,-290.99 ; P1.5@-332,-286 cw(c-336.98,-290.99) -329.93,-290.99 ; -329.93,-290.99 cw(c-322.88,-290.99) P1.5@-327.86,-286 ; -329.93,-290.99 cw(c-322.88,-290.99) P1.5@-327.86,-286 ; -329.93,-290.99 cw(c-322.88,-290.99) P1.5@-327.86,-286 ; -329.93,-290.99 cw(c-322.88,-290.99) P1.5@-327.86,-286 ; -329.93,-290.99 cw(c-322.88,-290.99) P1.5@-327.86,-286 ; -329.93,-290.99 cw(c-322.88,-290.99) P1.5@-327.86,-286